# Altium PCB Whitespace_Daughtercard.PcbDoc (part 5 of 5)
Units mil, origin at the board's own origin, x right, y up, seen from the top; angles counter-clockwise.
Board outline 4000 x 3100 mil, 6 copper layers (Top Layer, Ground Plane, MidLayer1, MidLayer2, Power Plane, Bottom Layer), stack 62.3 mil thick; 355 components, 313 nets, 1366 pads, 1573 vias.
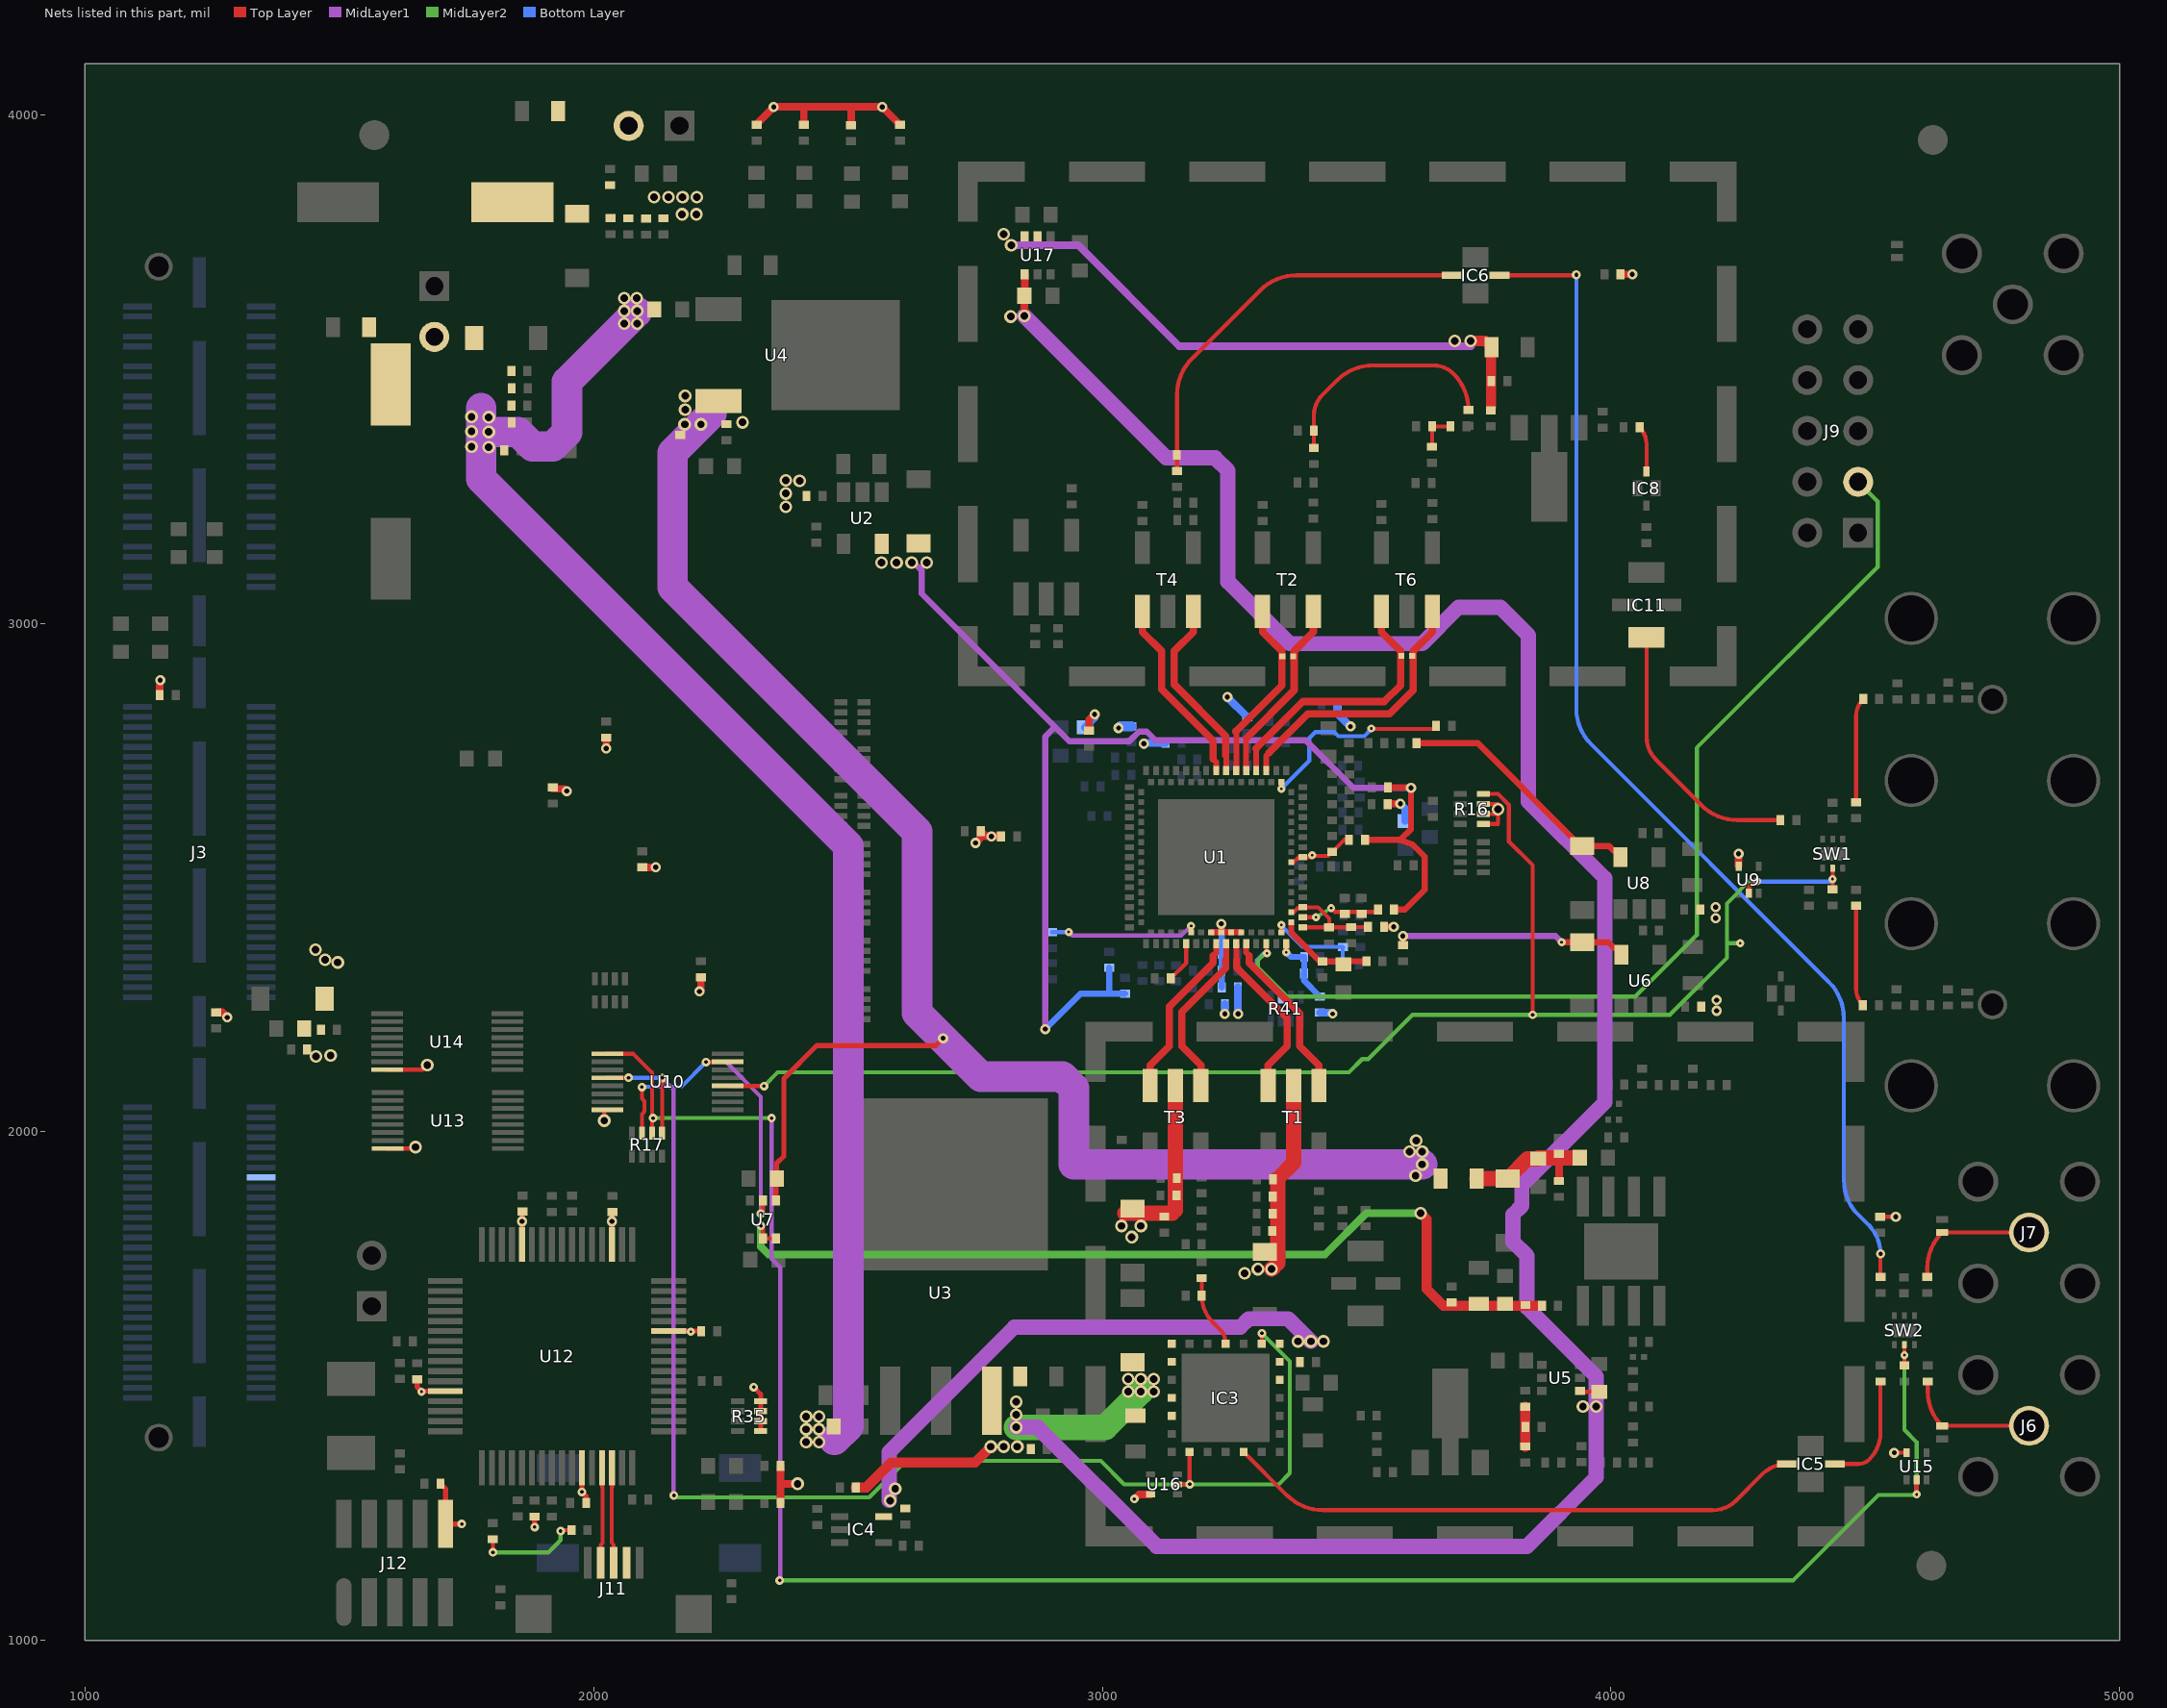
[diagram p9: the nets of this part, all layers, seen from the top]

## Via types
v1: diameter 20, hole 10, Top Layer to Bottom Layer, tented both sides, 569 vias
v2: diameter 17, hole 7, Top Layer to Bottom Layer, tented both sides, 273 vias
v3: diameter 25, hole 15, Top Layer to Bottom Layer, tented both sides, 262 vias
v4: diameter 18, hole 8, Top Layer to Bottom Layer, 137 vias
v5: diameter 16, hole 5, Top Layer to Bottom Layer, tented both sides, 108 vias
v6: diameter 20, hole 8, Top Layer to Bottom Layer, 64 vias
v7: diameter 18, hole 7, Top Layer to Bottom Layer, 61 vias
v8: diameter 17, hole 7, Top Layer to Bottom Layer, tented bottom, 41 vias
v9: diameter 18, hole 8, Top Layer to Bottom Layer, tented top, 17 vias
v10: diameter 16, hole 6, Top Layer to Bottom Layer, tented both sides, 11 vias
v11: diameter 25, hole 15, Top Layer to Bottom Layer, tented bottom, 10 vias
v12: diameter 16, hole 5, Top Layer to Bottom Layer, tented bottom, 4 vias
v13: diameter 55, hole 35.43, Top Layer to Bottom Layer, tented bottom, 3 vias
v14: diameter 150, hole 128.5, Top Layer to Bottom Layer, 3 vias
v15: diameter 250, hole 125, Top Layer to Bottom Layer, 2 vias
v16: diameter 250, hole 135, Top Layer to Bottom Layer, 2 vias
v17: diameter 18, hole 8, Top Layer to Bottom Layer, tented both sides, 2 vias
v18: diameter 18, hole 8, Top Layer to Bottom Layer, tented bottom, 2 vias
v19: diameter 20, hole 8, Top Layer to Bottom Layer, tented bottom, 1 vias
v20: diameter 19, hole 9, Top Layer to Bottom Layer, tented both sides, 1 vias

## Nets (pads, with @x,y where several pads share a name; then routed paths per layer and width w, separated by ;. In a path a pad name is that pad's centre, name@x,y a point inside that pad or via, vN(x,y) a via of type N, cw(c..) or ccw(c..) an arc to the next point about the centre after c; other vN are vias at no path point) (continued)
TXINQP_4: J9.2 R41.7 U1.54 | length 2166.1
  Top Layer w7.94: U1.54@3322.43,2369.72 3322.43,2352.57 v5(3324,2351)
  MidLayer2 w7.94: v5(3324,2351) 3320,2351 3306.03,2337.03 3306.03,2322.97 3363.08,2265.92 4047.92,2265.92 4168.87,2386.87 4168.87,2754.87 4524.5,3110.5 4524.5,3239.5 J9.2@4486,3278
  Bottom Layer w7.94: v5(3324,2351) 3318,2351 3304.03,2337.03 3304.03,2322.97 3340.6,2286.4 3341.09,2286.4 3351.16,2276.34 R41.7@3351.16,2264.64
TXPVDDPLL33A_2: C31.1 C32.2 FB12.1 U1.58 | length 146.9
  Top Layer w12: v5(3361.8,2353) U1.58@3361.8,2369.72
  Bottom Layer w12: v5(3361.8,2353) 3370.8,2344 C31.1@3397,2344 3397,2311.5 C32.2@3396.5,2311 3396.5,2297.5 FB12.1@3428,2266
TXVCCLPF33_2: C5.1 C6.2 FB6.1 U1.43 U1.45 U1.47 U1.49 | length 196.4
  Top Layer w12: U1.43@3214.16,2392.36 U1.45@3233.84,2392.36 3234,2392.52 v1@3234,2407 ; U1.45@3235,2392.36 U1.49@3273.21,2392.36
  Bottom Layer w12: v1@3234,2407 3235,2406 C5.1@3235,2350 3235,2317.5 C6.2@3234.5,2317 3235,2316.5 FB6.1@3235,2284
  other v1: 3234,2409
TXVCCPLL18_2: C10.2 C11.2 FB2.1 U1.61 | length 157.7
  Top Layer w7.94: U1.61@3394.28,2421.89 v5@3419.89,2421.89 ; v5(3450,2440) 3457.5,2432.5 3477,2432.5 3510,2432.5 3537.5,2432.5 FB2.1@3542,2437
  MidLayer2 w7.94: v5(3420,2421.78) v5(3450,2440)
TXVCCVCO33_2: C29.1 C30.2 R39.2 U1.59 U1.62 U1.63 | length 235.3
  Top Layer w7.94: U1.62@3371.64,2431.73 3376.45,2431.73 3386.29,2441.57 U1.63@3394.28,2441.57 3424.2,2441.57 3446,2419.78 C29.1@3446,2402 ; U1.59@3394.28,2402.2 3445.8,2402.2 C29.1@3446,2402 ; R39.2@3524,2402.5 C30.2@3489.5,2402.5 3489,2402 C29.1@3446,2402
TXVDDVCO18_2: C25.2 C26.1 R1.1 U1.60 | length 192.1
  Top Layer w12: U1.60@3371.64,2412.05 3371.64,2391.36 3428,2335 C26.1@3433,2335 3465.5,2335 3466,2335.5 R1.1@3519.5,2335.5
TXVTUNE_4: C92.2 R32.1 U1.57 | length 189.6
  Top Layer w7.94: U1.57@3351.95,2392.36 v5(3352,2407) v5(3352,2407)
  Bottom Layer w7.94: v5@3351.27,2406.27 3393.54,2364 3473,2364 C92.2@3473,2329 ; R32.1@3473,2362.5 R32.1@3473.5,2363
UC_PKT_DET_3: J3.116
UHF_ANT_1: C58.2 L12.1 | length 199.1
  Top Layer w7.94: C58.2@4482,2444.5 4482,2281.6 ccw(c4528.11,2281.6) L12.1@4495.5,2249
UHF_ANT_2: C59.1 L14.1 | length 206.7
  Top Layer w7.94: C59.1@4482,2648 4482,2817.2 cw(c4529.8,2817.2) L14.1@4496,2851
UHF_ANT_CTRL: C60.2 R16.1 SW1.5 U9.2 U10.4 | length 2989.7
  Top Layer w7.94: U10.4@2267.24,2090 2267,2090.24 v2@2334.76,2090.24 ; R16.1@3749,2664.37 3777.99,2664.37 3799.47,2642.89 3799.47,2570.71 3846,2524.17 v2(3846,2230) ; U9.2@4271,2468.99 4271,2480 v5@4284,2493 ; C60.2@4436,2476.5 v5(4436,2497) SW1.5@4436,2518.46
  MidLayer2 w7.94: v2(2335,2090) 2362.03,2117.03 3485.03,2117.03 3511,2143 3523,2143 3610,2230 v2(3846,2230) 4116,2230 4227.97,2341.97 4227.97,2371 ; v12(4254,2371) 4227.97,2371 ; v5(4287,2493) 4272,2493 4227.97,2448.97 4227.97,2371
  Bottom Layer w7.94: v5@4287,2492 4431,2492 v5(4436,2497)
UHF_BB_RX_N: C63.1 T2.3 U1.98 | length 365.1
  Top Layer w11.23: U1.98@3263.37,2710.28 3263.37,2786
  Top Layer w14.41: 3262.08,2787.29 3352.79,2878 3352.79,2945.21 3315,2983 T2.3@3315,3023.4
UHF_BB_RX_P: C63.2 T2.1 U1.96 | length 367.8
  Top Layer w11.23: U1.96@3283.06,2710.28 3283.06,2773.74
  Top Layer w14.41: 3283.06,2773.74 3377.21,2867.89 3377.21,2945.21 3415,2983 T2.1@3415,3023.4
UHF_BB_SE_INMIXAUX_7: C65.1 C97.1 L10.2 | length 469.5
  Top Layer w7.94: L10.2@3416,3344.5 C65.1@3416,3379 3416,3407.96 cw(c3474.04,3407.96) 3433,3449 3461.71,3477.71 cw(c3532.42,3407) 3532.42,3507 3650.37,3507 cw(c3650.37,3449.95) 3690.71,3490.29 cw(c3620,3419.58) C97.1@3720,3419.58
UHF_BB_SE_POST_EXTLNA_7: C125.2 J14.2 L16.1 | length 75.5
  Top Layer w7.94: L16.1@3648.5,3347.5 C125.2@3648.5,3387 J14.2@3684.5,3387
UHF_BB_SE_RX_7: C137.1 IC11.1 | length 534.6
  Top Layer w7.94: IC11.1@4070,2972 4070,2777.71 ccw(c4136.89,2777.71) 4089.59,2730.41 4177.71,2642.29 ccw(c4248.42,2713) 4248.42,2613 C137.1@4333,2613
UHF_BB_TX_N: T1.3 U1.50 | length 337.7
  Top Layer w11.23: U1.50@3283.06,2369.72 3283.06,2352.36 3289,2346.41
  Top Layer w14.41: 3289,2346.41 3289,2332.32 3388.21,2233.11 3388.21,2168.79 3426,2131 T1.3@3426,2091.2
UHF_BB_TX_P: T1.1 U1.48 | length 334.9
  Top Layer w11.23: 3263.37,2339.63 U1.48@3263.37,2369.72
  Top Layer w14.41: 3264,2339 3264,2322.79 3363.79,2223 3363.79,2168.79 3326,2131 T1.1@3326,2091.2
UHF_EXTLNA_PWR_7: C96.1 C99.2 L17.2 U17.2 U17.3 | length 1148.1
  Top Layer w20: v3(3724,3555) 3753.13,3555 C99.2@3765.13,3543 ; L17.2@3764,3424 C99.2@3764,3540
  MidLayer1 w15: v3(2821,3743) 2953,3743 3151,3545 v3@3725,3545
  other v3: 3693,3555 2806,3765
UHF_PA1_SUPPLY_7: C48.1 L5.2 R3.2 | length 78
  Top Layer w20: L5.2@3831.89,1381.5 C48.1@3831.89,1420 R3.2@3831.89,1459.5
UHF_PA2_BIAS_7: C54.2 C55.2 C56.2 R8.2 R9.2 U7.2 U7.3 | length 1815.5
  Top Layer w7.94: v2(2329,1815) 2333,1811 U7.2@2333,1790.2 U7.3@2358.59,1790.2
  Top Layer w20: v3(3626,1840) 3637.59,1828.41 3637.59,1691.41 3671,1658 3856,1658
  MidLayer2 w15: v2(2329,1815) 2329,1774 2344,1759 3438,1759 3519,1840 v3(3626,1840)
UHF_PA2_CTRL_1: R17.6 U7.5 U10.7 | length 678.6
  Top Layer w7.94: v2(2095,2088) 2095,2065.45 2100,2060.45 2100,2040 2095,2035 2095,1997.8 R17.6@2095.16,1997.64 ; v2@2221.33,2137.49 U10.7@2267,2137.49 ; v2(2329,1839) 2333,1843 U7.5@2333,1865
  MidLayer1 w7.94: v2(2221.09,2137.25) 2260.75,2137.25 2329,2069 v2(2329,1839)
  Bottom Layer w7.94: v2@2097,2088 2097.53,2088.53 2172.37,2088.53 v2(2221.09,2137.25)
UHF_PA2_SUPPLY_7: C51.2 C52.2 C53.1 L6.2 L9.2 R6.1 | length 264.6
  Top Layer w15: L6.2@3898,1903.5 3898,1955.5 C51.2@3899,1956.5
  Top Layer w30: R6.1@3736,1908 C53.1@3797,1908 3836.12,1947.12 C52.2@3857,1947.12 ; C52.2@3857,1948.99 3898,1949 L9.2@3931,1949
UHF_POSTEXTLNA_N: C123.1 T6.3 U1.94 | length 540.2
  Top Layer w11.23: U1.94@3302.74,2710.28 3302.74,2753.74
  Top Layer w14.41: 3302.48,2754 3394.47,2846 3554.79,2846 3586.79,2878 3586.79,2945.21 3549,2983 T6.3@3549,3023.4
UHF_POSTEXTLNA_P: C123.2 T6.1 U1.92 | length 542.3
  Top Layer w11.23: U1.92@3322.43,2710.28 3322.43,2739.43 3328,2745
  Top Layer w14.41: 3328,2745 3404.59,2821.59 3564.91,2821.59 3611.21,2867.89 3611.21,2945.21 3649,2983 T6.1@3649,3023.4
UHF_PRE_EXTLNA_7: C98.2 IC8.2 | length 90.1
  Top Layer w7.94: C98.2@4056.5,3385 cw(c4023.89,3352.4) 4070,3352.4 IC8.2@4070,3298.46
USB0D_N: J11.2 U12.45 | length 189
  Top Layer w7.75: J11.2@2013.8,1152.5 2013.8,1188 2017.55,1191.75 2017.55,1300.04 2016.58,1301 U12.45@2016.58,1339.51
USB0D_P: J11.3 U12.46 | length 189.1
  Top Layer w7.75: U12.46@2036.27,1339.51 2036.27,1301 2035.3,1300.04 2035.3,1192.08 2039.39,1188 J11.3@2039.39,1152.5
USBID_1: J11.4
VCC_1.8V: C18.2 FB1.2 FB2.2 FB3.2 FB4.2 FB5.2 U2.5 | length 2467.8
  Top Layer w12: FB3.2@3516.5,2574 3586,2574 ; FB4.2@3561.5,2677 v1@3606,2677 ; FB2.2@3573.5,2437 3595,2437 3634,2476 3634,2541 3610,2565 3586,2574 ; v1(3607,2676) 3607,2595 3586,2574
  MidLayer1 w12: v3@2630,3119 2645,3104 2645,3058 2907,2796 ; v1(2888,2202) 2888,2777 2907,2796 ; v1(3607,2676) 3494,2676 3400,2770 3104.7,2770 3087.7,2787 3072,2787 3053,2768 2935,2768 2907,2796
  Bottom Layer w12: v1(2888,2202) 2957.5,2271.5 3014,2271.5 ; FB1.2@3014,2322.5 3014,2271.5 ; FB5.2@3045,2271.5 3014,2271.5
  other v3: 2566,3119.02 2595.67,3119.02 2625.33,3119.02 2655,3119.02
VCC_1.8V_RXVCO: C131.2 FB13.1 U8.5 | length 493.2
  Top Layer w12: FB13.1@3618,2764 3738.3,2764 3940.32,2561.98 C131.2@3944,2561.98 3996.4,2561.98 U8.5@4018.4,2539.98
VCC_1.8V_TXVCO: C80.2 FB11.1 U6.5 | length 462.7
  Top Layer w12: FB11.1@3591,2367 v1(3591,2385) ; v12(3903,2373) C80.2@3944,2372.98 3995.4,2372.98 U6.5@4020.4,2347.98
  MidLayer1 w12: v1(3591,2385) 3891,2385 v12(3903,2373)
VCC_3.3V: C40.2 C68.1 C95.1 C102.2 C103.2 C104.2 C105.2 C106.1 C115.1 C116.1 C117.1 C118.1 C119.1 C120.1 C127.1 C128.1 C142.2 C143.1 C144.1 C145.2 C146.2 C147.2 C148.1 C149.2 C150.2 C156.2 C157.2 C158.1 C159.2 C160.1 C161.2 C162.1 C163.1 C164.1 C166.1 FB6.2 FB7.2 FB8.2 FB9.2 FB10.2 FB12.2 FB14.1 FB16.2 FB17.1 FB24.2 FB25.2 J1.2 J12.10 R15.1 R16.2 R16.3 R16.4 R35.1 R35.2 R35.3 R35.4 R38.2 R39.1 R40.1 R45.2 R46.2 R47.1 R48.1 R49.1 R52.2 R58.1 R61.1 R103.2 T1.2 T3.2 U9.5 U10.16 U12.3 U12.12 U12.28 U12.43 U12.59 U13.16 U14.16 U15.5 U16.5 | length 2874.8
  Top Layer w7.94: R16.4@3749,2605.31 3778,2605.31 v3@3778,2625 ; R16.3@3749,2625 v3@3778,2625 ; R16.2@3749,2644.68 3778,2644.68 v3(3778,2634) v3@3778,2625 ; C128.1@4529,1833 v1(4560,1833) ; v1@4557.14,1369.14 U15.5@4581.31,1369.14
  Top Layer w9: U13.16@1591.91,1967 1648,1967 v3@1650,1969 ; U14.16@1591.91,2122 1664,2122 v3(1673,2131) ; v1@1943,2674 v1(1947,2670) ; v3(2021,2022) 2021,2041.09 U10.16@2022.91,2043 ; v2(2315,1498) 2328.64,1484.36 R35.1@2328.64,1470.53 R35.2@2328.64,1450.84 R35.3@2328.64,1431.16 R35.4@2328.64,1411.47
  Top Layer w10: C102.2@1653,1513.5 1653,1499 1661.9,1490.1 U12.28@1708.51,1490.1 ; C95.1@1699,1308 1709,1298 J12.10@1709,1229 v2(1741,1229) ; U12.12@1859.1,1778.49 1859.1,1842.1 C106.1@1860,1843 ; v2(1884,1223) R38.2@1884,1243.5 ; U12.43@1977.21,1339.51 1977.21,1292.21 v2(1977,1292) 1985.5,1283.5 C105.2@1985.5,1270 ; U12.3@2036.27,1778.49 v1(2036.27,1824) 2036.27,1841.77 C104.2@2037,1842.5 ; U12.59@2147.49,1608.21 2211.29,1608.21 C103.2@2211.5,1608
  Top Layer w14: C68.1@1920,2674 v1@1943,2674 ; v1(2025,2754) C115.1@2025,2775
  Top Layer w15: C119.1@1147,2859 1147,2887 v1(1148,2888) ; C120.1@1258,2235 1270,2235 v1(1280,2225) ; C116.1@2096,2520 v1(2122,2520) ; v1(2208,2276) 2211,2279 C118.1@2211,2304 ; R47.1@2320,3981 v1(2354.06,4015.12) ; v1(2354.06,4015.12) 2413.33,4015.12 ; R52.2@2367.5,1270 R46.2@2367.5,1343 ; 2369.5,1308 v3(2401,1308) ; R15.1@2413.33,3980.12 2413.33,4015.12 ; R48.1@2506.33,3979.12 2506.33,4014.12 ; R49.1@2602.33,3980.12 v1(2567.33,4015.12) 2413.33,4015.12 ; v1(2751,2568) 2761,2578 C117.1@2761,2591 2771,2581 v1(2782,2581) FB17.1@2801,2581 ; C40.2@2974,2788.5 2974,2810 v1(2985,2821) ; v2(3063,1278) 3072.32,1287.32 U16.5@3094.86,1287.32 ; R39.1@3556,2403 v1@3574,2403 ; R40.1@3562,2645 v1(3586,2645) ; v1@3586,2644 v1@3587,2644 ; C127.1@4019,3686 v1(4042,3686) ; U9.5@4251,2522.46 v1(4251,2547)
  Top Layer w30: C150.2@3044,1840 3138,1840 3144,1846 T3.2@3144,2091.2 ; v3(3333,1730) 3345,1742 3345,1908 3376,1939 T1.2@3376,2091.2
  Bottom Layer w10: v1(3032,2794) v1@3035.5,2797.5
  Bottom Layer w15: R103.2@2966,2795.12 2985,2814.12 v1(2985,2821) ; v1(3082,2763) 3082,2760 3087,2765 FB9.2@3124.5,2765 ; v1(3241,2232) FB14.1@3241,2251 ; v1(3246,2855) 3246,2854.5 FB8.2@3285,2815.5 ; FB6.2@3266.5,2284 3266.5,2232.5 v1(3267,2232) ; FB12.2@3428,2234.5 3452.5,2234.5 v20@3453,2234 ; FB16.2@3462.5,2841 3462.5,2822.5 v1(3488,2797) ; v1(3586,2645) 3596,2635 R58.1@3596,2611
  Bottom Layer w20: v1@3035.5,2797.5 FB10.2@3057,2797.5
  other v1: 4557,1369 1859.1,1824 4208,2238 4208,2259 3573,2403 4206,2420 4206,2442
  other v3: 3280,1722 3306,1730 3058,1793 3038,1815 3076,1815 1650,1970 1454,2148 1483,2150 1497,2333 1472,2338 1453,2358 2378,3229.02 2378,3255.02 2405,3280.02 2378,3281.02 2174,3804 2202,3804 2119,3838 2147,3838 2175,3838 2203,3838
  other v5: 1661.9,1489.1 2191,1607.21
  other v20: 3453,2232
VCC_5V: C45.1 C77.1 C78.2 FB23.2 IC3.13 IC3.14 IC3.16 IC3.17 R4.2 R11.2 R44.2 U3.3 U5.4 U17.4 | length 5275.7
  Top Layer w7.94: U5.4@3940.53,1488.88 R4.2@3971,1488.88
  Top Layer w15: v3(2847,3604) R11.2@2847,3643.88 ; R11.2@2847.41,3644.53 U17.4@2847.41,3686
  Top Layer w20: FB23.2@2515.5,1301 2536,1301 2585,1350 2750,1350 v3(2781,1381)
  MidLayer1 w30: v3(2831,1419) 2873,1419 3107,1185 3835,1185 3971,1321 v3(3971,1460) 3971,1518.72 3835,1654.72 3835,1756.04 3807.5,1783.54 3807.5,1837.07 3825,1854.57 3825,1895.04 3988,2058.04 3988,2499 3838,2649 3838,2976 3782.5,3031.5 3700.54,3031.5 3629.04,2960 3368.57,2960 3247,3081.57 3247,3300 3222,3325 3126,3325 v3(2847,3604)
  MidLayer2 w50: v3(2831,1419) 3006,1419 v3(3076,1489)
  other v3: 2806,1381 2833,1381 2831,1444 2831,1469 3051,1489 3101,1489 3051,1514 3076,1514 3101,1514 2820,3603
  other v11: 3945,1460
VCC_7V: C47.2 R6.2 R7.2 R43.2 U4.3 U7.4 | length 3202.5
  Top Layer w10: U7.4@2358.59,1865 R7.2@2358.59,1906.47 ; R7.2@2360.12,1908 2360.12,1938.12 2374,1952 2374,2104.75 2438.75,2169.5 2672.5,2169.5 v1(2687,2184)
  MidLayer1 w60: 2231.5,3411.5 2155,3335 2155,3071 2636,2590 2636,2234 2761.5,2108.5 2921.5,2108.5 2944,2086 2944,1936 v11(3629,1936)
  other v3: 3616,1914 3604,1961 3629,1961 3617,1983 2179,3391 2293,3395 2180,3420 2180,3447
  other v11: 2211,3391
VCC_12V: C151.2 C152.2 C153.1 C154.2 C155.1 C165.1 FB18.1 FB19.1 J2.2 R42.2 R60.1 | length 2810.7
  MidLayer1 w60: 1779,3423 1779,3284 2501,2562 2501,1421 2474,1394 2473,1394 ; v3(1794,3376) 1851.82,3376 1880.32,3347.5 1919.68,3347.5 1947.5,3375.32 1947.5,3474.5 v3@2085,3612
  other v3: 2418,1390 2443,1390 2418,1415 2443,1415 2418,1440 1760,3347 1760,3377 1794,3405 1760,3406 2060,3589 2086,3589 2060,3614 2086,3614 2060,3639
  other v11: 2443,1440 1794,3346 2085,3639
VCC_USB: FB21.2 R62.1 | length 206.4
  Top Layer w7.94: v2(1802,1173) R62.1@1802,1199 ; v2@1937,1217 FB21.2@1956.5,1217
  MidLayer2 w7.94: v2(1802,1173) 1911,1173 1935,1197 v2(1935,1215)
VREFAD_4: C88.2 U1.38 | length 80.8
  Top Layer w7.94: C88.2@3134.5,2301.5 3164.94,2331.95 U1.38@3164.94,2369.72
VREG_2.85V: C67.2 C135.2 IC3.5 IC3.6 IC3.7 IC4.5 | length 1051.2
  MidLayer1 w30: v11@2581,1275 2581,1370 2827,1616 3271.43,1616 3287.93,1632.5 3365.5,1632.5 v3(3410,1588)
  other v3: 2593,1298 3435,1588
  other v11: 2583,1275 3385,1588
VSPI18_2: C12.2 FB3.1 U1.72 U1.73 | length 129.5
  Top Layer w7.94: U1.72@3371.64,2530.16 3376.45,2530.16 3386.29,2540 U1.73@3394.28,2540 v5@3411.68,2540 ; v5@3412.62,2542.72 3444.37,2542.72 C12.2@3452,2550.35 3475.65,2574 FB3.1@3485,2574
  other v5: 3412.62,2543.72
WIFI_ANT_1: C69.2 D12.2 J6.1 | length 265.5
  Top Layer w7.94: C69.2@4623,1509 4623,1489.39 ccw(c4718.6,1489.39) D12.2@4651,1421.8 ; D12.2@4651.2,1422 J6.1@4822,1422
WIFI_ANT_2: C70.2 D13.2 J7.1 | length 266.5
  Top Layer w7.94: C70.2@4622,1714.5 4622,1732.19 cw(c4721.01,1732.19) D13.2@4651,1802.2 ; D13.2@4651,1802 J7.1@4822,1802
WIFI_ANT_CTRL: C71.2 R17.7 SW2.5 U10.9 U15.2 | length 4029.8
  Top Layer w7.94: U10.9@2022.91,2153.24 2078,2153.24 2114.84,2116.4 R17.7@2114.84,1997.64 ; C71.2@4577,1540.5 v5(4577,1560.98) SW2.5@4577,1581.46 ; v12@4601,1294 U15.2@4601,1315.99
  MidLayer1 w7.94: v2(2350,2027) 2350,1750 2366.97,1733.03 2366.97,1118.97 v2(2366,1118)
  MidLayer2 w7.94: v2@2115,2027 v2(2350,2027) ; v2(2366,1118) 4358,1118 4526,1286 4601,1286 4601,1390.17 4577,1414.17 v5(4577,1560.98)
  other v2: 2117,2027
  other v12: 4601,1287
WIFI_BB_RX_N: T4.3 U1.102 | length 373.2
  Top Layer w11.23: 3218.17,2733 3224,2727.17 U1.102@3224,2710.28
  Top Layer w14.41: T4.3@3079,3023.4 3079,2983 3116.79,2945.21 3116.79,2869.89 3218.17,2768.51 3218.17,2733
WIFI_BB_RX_P: T4.1 U1.100 | length 369.7
  Top Layer w11.23: U1.100@3243.68,2710.28 3243.68,2739.9
  Top Layer w14.41: T4.1@3179,3023.4 3179,2983 3141.21,2945.21 3141.21,2880 3242.59,2778.62 3242.59,2741
WIFI_BB_SE_RX_8: C75.2 IC6.2 L11.2 | length 802.6
  Top Layer w7.94: L11.2@3147,3299.5 3147,3449.58 cw(c3247,3449.58) 3176.29,3520.29 3310.71,3654.71 cw(c3381.42,3584) 3381.42,3684 IC6.2@3686.76,3684
WIFI_BB_TX_N: T3.3 U1.46 | length 328.9
  Top Layer w11.23: 3243.68,2340.1 U1.46@3243.68,2369.72
  Top Layer w14.41: T3.3@3194,2091.2 3194,2131 3156.21,2168.79 3156.21,2235.68 3242.59,2322.06 3242.59,2339
WIFI_BB_TX_P: T3.1 U1.44 | length 332.4
  Top Layer w11.23: 3218.17,2346 3224,2351.83 U1.44@3224,2369.72
  Top Layer w14.41: T3.1@3094,2091.2 3094,2131 3131.79,2168.79 3131.79,2245.79 3218.17,2332.17 3218.17,2346
WIFI_FILTER_OUT_8: C140.1 IC5.2 | length 229
  Top Layer w7.94: IC5.2@4440.24,1347 4486.27,1347 ccw(c4486.27,1377.73) 4508,1356 ccw(c4454.89,1409.11) 4530,1409.11 C140.1@4530,1509
WIFI_PA_CTRL: IC3.8 IC3.20 R17.8 U10.12 U16.2 | length 2728.7
  Top Layer w7.94: U10.12@2022.91,2105.99 v2@2068.57,2105.99 ; R17.8@2134.53,1997.64 2135,1998.11 v2(2135,2106) ; U16.2@3148.01,1307 v2(3172,1307) ; v2@3171.76,1307 IC3.20@3171.76,1370.62 ; IC3.8@3313.49,1583.22 3314,1583.73 v2(3314,1604)
  MidLayer1 w7.94: v2(2135,2106) 2157,2084 v2@2157,1285
  MidLayer2 w7.94: v2@2157,1285 2161,1281 2542,1281 2614,1353 2997,1353 3043,1307 3347.12,1307 3369,1328.88 3369,1549 v2(3314,1604)
  Bottom Layer w7.94: v2(2068.81,2106.23) 2134.77,2106.23 v2(2135,2106)
  other v2: 2158,1285
WIFI_PA_IN_8: IC3.10 NC2.2 NL2.2 | length 143.4
  Top Layer w7.94: NL2.2@3195.5,1712.01 NC2.2@3195.5,1678 ccw(c3269.12,1678) 3217.06,1625.94 3230.5,1612.5 cw(c3201.22,1583.22) IC3.10@3242.63,1583.22
WIFI_PA_OUT_8: IC3.23 IC5.4 | length 1142.9
  Top Layer w7.94: IC3.23@3278.06,1370.62 3363.39,1285.29 ccw(c3434.11,1356) 3434.11,1256 4200.13,1256 ccw(c4200.13,1320.87) 4246,1275 4298.37,1327.37 cw(c4345.76,1279.99) IC5.4@4345.76,1347
WIFI_RX_PREFILTER_8: C141.2 IC6.4 | length 2352.9
  Top Layer w7.94: IC6.4@3781.24,3684 v18@3932,3684 ; C141.2@4530,1714.5 v17(4530,1760)
  Bottom Layer w7.94: v18(3932,3685) 3932,2832.42 ccw(c4032,2832.42) 3961.29,2761.71 4428.71,2294.29 cw(c4358,2223.58) 4458,2223.58 4458,1905.45 ccw(c4558,1905.45) 4478.04,1845.4 4506.35,1817.09 cw(c4449.27,1760) v17(4530,1760)
XRES12K_4: R29.1 U1.89 | length 401.2
  Top Layer w7.94: v5(3351.95,2674.42) U1.89@3351.95,2687.64 ; v5@3529,2792 3650,2792 R29.1@3656,2798
  Bottom Layer w7.94: v5(3351.95,2674.42) 3407,2729.46 3407,2774 3419,2786 3456,2786 3464,2778 3515,2778 v5@3529,2792
  other v5: 3529,2793
XRESAD_4: R27.2 U1.39 | length 298.2
  Top Layer w7.94: U1.39@3174.79,2392.36 v5@3174.79,2405.58
  MidLayer1 w7.94: v10(2934,2393) 2941,2386 3155.2,2386 v5@3174.79,2405.58
  Bottom Layer w7.94: R27.2@2901,2392.5 v10@2933.5,2392.5
  Bottom Layer w12: v10@2933.5,2392.5 v10(2934,2393)
  other v5: 3174.79,2404.58
pads on no net: C33.1 F1.0 F2.0 F3.0 IC2.2 IC2.4 IC2.5 J3.1 J3.2 J3.3 J3.4 J3.5 J3.6 J3.7 J3.8 J3.9 J3.10 J3.11 J3.12 J3.13 J3.14 J3.15 J3.16 J3.17 J3.18 J3.19 J3.20 J3.21 J3.22 J3.23 J3.24 J3.25 J3.27 J3.29 J3.31 J3.33 J3.34 J3.97 J3.98 J3.125 J3.126 J3.127 J3.128 J3.132 J3.134 J3.137 J3.138 J3.139 J3.140 J3.143 J3.144 J3.145 J3.146 J3.149 J3.150 J3.151 J3.152 J3.155 J3.156 J3.157 J3.158 J3.173 J3.174 J12.7 R34.8 SW3.1 SW3.3 T2.2 T4.2 T6.2 U1.42 U9.1 U12.33 U12.35 U15.1 U16.1
copper on no net:
  other v1: 2448.91,1036 3307,2024 3327,2024 3425,2024 3445,2024

## Polygon pours and split planes (outlines as drawn)
GND on Top Layer "Top Layer-No Net 2" (solid, pour order 51): 2733,3887 4225,3887 4225,2896 4225,2901 2735,2901
NetFB20_1 on Top Layer "Top Layer-No Net" (solid, pour order 93): 1807,1077.74 1812.18,1077.74 1815.54,1091 1817.35,1091 1917,1091 1917,1040 1807,1040
NetC15_2 on Top Layer "Top Layer-No Net" (solid, pour order 96): 2443,3334.02 2443,3250.98 2443,3217.02 2583,3217.02 2583,3334.02
VCC_7V on Top Layer "Top Layer-No Net" (solid, pour order 95): 2160,3461 2307,3461 2307,3374 2304.77,3376.26 2160,3376.26
GND on Top Layer "Top Layer-No Net" (solid, pour order 92): 1780,1155 1845,1155 1845,1105 1833,1093 1827,1093 1800,1093 1799,1094 1781,1112 1780,1112
GND on Top Layer "Top Layer-No Net" (solid, pour order 91): 1609,1344 1629,1344 1649,1344 1675,1318 1675,1298 1675,1245 1659,1229 1509,1229 1494,1244 1494,1276
VCC_5V on Top Layer "Top Layer-No Net" (solid, pour order 70): 3144,1591 3062,1591 3036,1565 3036,1428 3106,1428 3112,1434 3144,1434
VREG_2.85V on Top Layer "Top Layer-No Net" (solid, pour order 72): 3341,1591 3341,1505 3357,1505 3364,1505 3396,1537 3396,1557 3362,1591
NetR3_1 on Top Layer "Top Layer-No Net" (solid, pour order 73): 3874,1524 3874,1482 3824,1482 3822,1484 3822,1501 3845,1524
VREG_2.85V on Top Layer "Top Layer-No Net" (solid, pour order 84): 3366,1608 3366,1567.55 3378,1557 3396,1557 3396,1557.88 3407,1567.55 3452,1567.55 3452,1608
NetC44_1 on Top Layer "Top Layer-No Net" (solid, pour order 85): 2602,1538 2513,1538 2513,1405 2602,1405
GND on Top Layer "Top Layer-No Net" (solid, pour order 86): 3845,1867 4191,1867 4191,1658 3845,1658
NetC6a_2 on Top Layer "Top Layer-No Net" (solid, pour order 87): 4045,1911 4011,1911 3995,1927 3995,1872.28 4045,1872.28
GND on Top Layer "Top Layer-No Net" (solid, pour order 88): 3443,2620 3443,2575 3461,2575 3538,2575 3538,2597 3538,2620
GND on Top Layer "Top Layer-No Net" (solid, remove dead copper, pour order 60): 1663.36,1827.92 1664.09,1829 2204,1829 2204,1294.61 2202.91,1293 1663,1293
NetC79_2 on Top Layer "Top Layer-No Net 1" (solid, pour order 55): 4007,2227 4007,2306 4181,2306 4181,2278 4181,2263 4154,2236 4145,2227 4109,2227
NetC130_2 on Top Layer "Top Layer-No Net 1" (solid, pour order 52): 4005,2419 4005,2498 4179,2498 4179,2470 4179,2455 4152,2428 4143,2419 4107,2419
VCC_3.3V on Top Layer "Top Layer-No Net 1" (solid, pour order 59): 4168,2447 4192,2447 4198,2453 4220,2453 4220,2405 4198,2405 4196,2405 4174,2427 4168,2427
VCC_3.3V on Top Layer "Top Layer-No Net 1" (solid, pour order 62): 4170,2236 4170,2256 4185,2256 4186,2256 4200,2270 4220,2270 4220,2220 4195,2220
NetC133_2 on Top Layer "Top Layer-No Net 1" (solid, pour order 67): 2430,1266 2476,1312 2493,1312 2493,1291 2493,1288 2525,1256 2525,1183 2470,1183 2467,1186 2467,1199 2467,1237 2454,1250 2430,1250
GND on Top Layer "Top Layer-No Net 1" (solid, pour order 69): 2501,1225 2460,1225 2450,1235 2430,1235 2425,1235 2400,1210 2400,1180 2451,1180 2453,1182 2467,1196 2467,1211 2501,1211
VREG_2.85V on Top Layer "Top Layer-No Net 1" (solid, pour order 71): 2553,1237 2553,1290 2583,1320 2625,1320 2625,1250 2601,1250 2588,1237
VCC_3.3V on Top Layer "Top Layer-No Net 2" (solid, pour order 53): 1429,2172 1429,2152 1429,2151 1447,2133 1448,2132 1490,2132 1504,2146 1504,2164 1499,2164 1472,2191 1472,2211 1472,2221 1489,2238 1489,2286 1453,2286 1453,2239 1437,2239 1417,2219 1417,2187 1417,2184 1429,2172
VCC_3.3V on Top Layer "Top Layer-No Net 2" (solid, pour order 58): 1427,2361 1446,2380 1456,2380 1476,2380 1544,2312 1489,2257 1489,2239 1453,2239 1453,2286 1453,2288 1469,2304 1427,2346 1427,2361
GND on Top Layer "Top Layer-No Net 2" (solid, pour order 50): 2988,2194 4480,2194 4480,1203 4480,1208 2990,1208
GND on Top Layer "Top Ground Fill" (solid, remove dead copper, pour order 98): 1002,4099.83 1004,4097.83 4999,4097.83 4999,1000.83 1001,1000.83
GND on MidLayer2 "Top Layer-No Net" (solid, remove dead copper, pour order 68): 2536,2067 2899,2067 2899,1785.07 2890,1777.52 2887,1775 2536,1775
VCC_3.3V on MidLayer2 "Top Layer-No Net" (solid, pour order 63): 4252,1796 4395.73,1796 4406,1786 4406,1738 4253.03,1738 4252,1739
HSMC_3.3V on MidLayer1 "Top Layer-No Net 2" (solid, pour order 57): 1473,4044 1938,4044 1938,3786 1473,3786
HSMC_3.3V on MidLayer1 "Top Layer-No Net 2" (solid, pour order 54): 1209,3669 1209,3806 1485,3806 1500,3806 1500,3807
GND on MidLayer1 "Top Layer-No Net" (solid, remove dead copper, pour order 66): 2540,2067 2899,2067 2899,1731 2890.1,1722 2887.13,1719 2540,1719
VCC_7V on MidLayer1 "Top Layer-No Net" (solid, pour order 74): 3585,1997 3585,1900 3650,1900 3680,1930.63 3680,1969.43 3677,1969.43 3650,1997
VCC_7V on MidLayer1 "Top Layer-No Net" (solid, pour order 94): 2160,3461 2307,3461 2307,3374 2304.77,3376.26 2160,3376.26
HSMC_12V on MidLayer1 "Top Layer-No Net" (solid, remove dead copper, pour order 77): 1233,1406 1449,1406 1451,1408 1451,3517 1562,3517 1582,3537 1582,3767 1281,3767 1234,3720
HSMC_3.3V on MidLayer1 "Top Layer-No Net" (solid, remove dead copper, pour order 75): 1225,1406 1054,1406 1047,1413 1047,4053 1535,4053 1568,4020 1568,3787 1240,3787 1225,3772
GND on Bottom Layer "Bottom Ground Fill" (solid, remove dead copper, pour order 97): 1002,4099 1004,4097 4999,4097 4999,1000 1001,1000
GND on Ground Plane (split plane): 4979.9,1020.1 1020.1,1020.1 1020.1,4079.9 4979.9,4079.9
VCC_3.3V on Power Plane (split plane): 4979.9,1020.1 2456.07,1020.1 2456.07,1767 2455.78,1769.94 2454.93,1772.77 2453.53,1775.37 2451.66,1777.66 2270.07,1959.24 2270.07,2151 2269.78,2153.94 2268.93,2156.77 2267.53,2159.37 2265.66,2161.66 2235.66,2191.66 2233.37,2193.53 2230.77,2194.93 2227.94,2195.78 2225,2196.07 1020.1,2196.07 1020.1,4079.9 4979.9,4079.9
VCC_3.3V on Power Plane (split plane): 2239.93,2144.76 2239.93,1953 2240.22,1950.06 2241.07,1947.23 2242.47,1944.63 2244.34,1942.34 2425.93,1760.76 2425.93,1020.1 1020.1,1020.1 1020.1,2165.93 2218.76,2165.93
GND on Power Plane (split plane): 3361.45,2402.55 3089.55,2402.55 3089.55,2673.45 3361.45,2673.45
GND on Power Plane (split plane): 2596.45,3405.06 2594.94,3403.55 2349.06,3403.55 2346.55,3406.06 2346.55,3652.45 2596.45,3652.45

## Other copper
Top Layer:
  region net VCC_3.3V: 2007,3852 2007,3969 1913,3969 1913,3852
  region net VCC_3.3V: 2104,3940 2104,4030 1913,4030 1913,3940
  rectangle net VCC_12V: 2046,3574 2133,3654
  rectangle net GND: 2334,3684 2396,3724
  rectangle net NetC46_1: 2160,3595 2290,3726
  rectangle net VCC_3.3V: 1996,3787 2218,3855
  rectangle net VCC_3.3V: 1759,3787 1996,3907
  rectangle net VCC_12V: 1742,3330 1818,3495
  rectangle net VCC_12V: 1545,3385 1847,3602
  region net HSMC_3.3V: 1875,3924 1875,4031 1689.43,4031 1689.43,3924
  rectangle net HSMC_12V: 1418,3460 1503,3767
  rectangle net NetFB22_1: 2220,1062 2284,1090
  region net GND: 4374,1376 4374,1306 4413,1306 4413,1376
  rectangle net GND: 3714,3651 3753,3717
  rectangle net VCC_3.3V: 2363,3216.02 2428,3297.02
  rectangle net GND: 2545,3287.02 2677,3370.02
  rectangle net VCC_1.8V: 2550,3096.02 2669,3179.02
  rectangle net GND: 2565,3401 2666,3653
  rectangle net GND: 2402,1458 2470,1526
  rectangle net VCC_12V: 2405,1376 2486,1453
  rectangle net VCC_5V: 3929,1445 3993,1502
  rectangle net GND: 2516,3239.02 2545,3369.02
  rectangle net VCC_7V: 3572,1888 3679,2002
  rectangle net VCC_5V: 2763,1366 2853,1538
  rectangle net GND: 2635,1370 2725,1573
  rectangle net VCC_3.3V: 3022,1778 3090,1867
  rectangle net VCC_3.3V: 3265,1715 3354,1777
  rectangle net VCC_5V: 2806,3587 2862,3620
  region net UHF_EXTLNA_PWR_7: 3741,3575 3679,3575 3679,3537 3741,3537
  rectangle net UHF_EXTLNA_PWR_7: 2788,3730 2885,3779
  rectangle net GND: 3247,2652 3338,2694
  rectangle net GND: 3306,2386 3338,2426
  pour cut-out: 1316.58,2461.42 1316.58,2520.47 1481.39,2520.47 1481.39,2422.05 1371,2422.05 1371,2406
  pour cut-out: 1129,2541 1129,2482 1167,2482 1167,2461.42 1388.91,2461.42 1388.91,2520.47
  pour cut-out: 1122,2365 1152,2365 1152,2117 1115,2117 1115,2123
  pour cut-out: 2828,2753 2836,2761 2853,2761 2828.53,2785.47 2828.37,2785.31 2070,2785.31 2050,2765.31 2050,2751
  pour cut-out: 1970,2693.47 1970,2693 1947,2670 1950.36,2666.64 1950.36,2640.21 2615.21,2640.21 2627.41,2652.41 2627.41,2694
  pour cut-out: 2748,2621 2862.75,2621 2943.75,2540 2748,2540
  pour cut-out: 2390,2411 2371,2392 2371,2375 2944.47,2375 2945,2375.53 2945,2411
  pour cut-out: 2499,2856 2519,2856 2519,2210 2500,2210 2499,2211
  pour cut-out: 2450,2470 2450,2506.57 2599.43,2506.57 2602,2504 2602,2471
  pour cut-out: 1807,1040 1807,990 2237,990 2237,1035 2232,1040
  pour cut-out: 2310,2316 2290,2296 2290,2280 2938,2280 2974,2316
  pour cut-out: 4412,2559.62 4412,2570 4460,2570 4460,2563.7 4456,2560
  pour cut-out: 4412,2525 4412,2534.38 4456,2534 4460,2530.3 4460,2525
  pour cut-out: 4552,1633 4552,1622.82 4559,1622 4597,1623 4602,1626.9 4602,1633
  pour cut-out: 4553,1597.38 4553,1588 4603,1588 4603,1592.74 4596,1599 4559,1599
  pour cut-out: 3094,2063 3194,2063 3194,2131 3156.21,2168.79 3131.79,2168.79 3094,2131
  pour cut-out: 3326,2063 3426,2063 3426,2131 3388.21,2168.79 3363.79,2168.79 3326,2131
  pour cut-out: 3079,3056 3179,3056 3179,2983 3141.21,2945.21 3116.79,2945.21 3079,2983
  pour cut-out: 3315,3056 3415,3056 3415,2983 3377.21,2945.21 3352.79,2945.21 3315,2983
  pour cut-out: 3549,3056 3649,3056 3649,2983 3611.21,2945.21 3586.79,2945.21 3549,2983
  pour cut-out: 4008.52,1872.28 4031.48,1872.28 4031.48,1824.48 4031,1824 4008,1824
  pour cut-out: 3096.05,2675.42 3089.58,2668.95 3089.58,2412.05 3346.95,2412.05 3351.95,2407.05 3351.95,2687.64 3253.53,2687.64
  text "White Space Daughtercard" at 3935,1118 h20
  text "REG - WSD r4 01/30/2014" at 3934,1082 h20
MidLayer1:
  rectangle net VCC_12V: 2046,3566 2107,3654
  rectangle net VCC_12V: 1742,3330 1818,3495
  rectangle net VREG_2.85V: 3366,1569 3452,1615
  rectangle net VCC_1.8V: 2550,3096.02 2669,3155.02
  rectangle net VCC_12V: 2405,1362 2512,1453
  rectangle net GND: 3153,1387 3333,1567
  rectangle net GND: 3855,1663 4193,1865
  rectangle net GND: 3549.82,1280.61 3814.82,1628.56
  rectangle net VCC_5V: 3929,1441 3992,1492
  rectangle net GND: 3110,2426 3338,2654
  rectangle net VCC_5V: 2763,1366 2853,1483
  rectangle net VREG_2.85V: 2561,1257 2616,1315
  rectangle net UHF_EXTLNA_PWR_7: 3680,3533 3742,3592
  rectangle net UHF_EXTLNA_PWR_7: 2788,3730 2885,3779
  region net GND: 4041,3414.91 3710.97,3414.91 3710.97,3066.3 4041,3066.3
  rectangle net VCC_5V: 2806,3584 2866,3620
  pour cut-out: 1484,3768 1586,3768 1587,3767 1587,3516 1483,3516
MidLayer2:
  rectangle net GND: 3153,1387 3333,1567
  rectangle net GND: 3855,1663 4193,1865
  rectangle net GND: 3549.82,1280.61 3814.82,1628.56
  rectangle net GND: 3110,2426 3338,2654
  rectangle net VCC_5V: 2763,1366 2853,1538
  rectangle net VCC_5V: 3034,1473 3118,1531
  region net GND: 4042,3414.91 3710.97,3414.91 3710.97,3066.3 4042,3066.3
Bottom Layer:
  rectangle net GND: 3153,1387 3333,1567
  rectangle net GND: 3830,1610 4243,2000
  rectangle net GND: 3549.82,1279.95 3814.82,1628.56
  rectangle net GND: 3110,2426 3338,2654
  rectangle net GND: 3120,1354 3361,1590
  rectangle net GND: 2322,3307 2761,3725
  rectangle net GND: 3650,1531 4245,1884
  rectangle net GND: 2417,1739 2965,2048
  region net GND: 3899,3414.91 3710.97,3414.91 3710.97,3067 3899,3067
  pour cut-out: 2681.53,2565.53 2693,2554.06 2693,2526 2728.21,2490.79 3089.58,2490.79 3089.58,2530.16 3089.22,2530.52 3089.22,2609 3036.41,2609 3016,2588.59 2941.41,2588.59 2837,2693 2837,2621 2797,2581 2764,2581 2751,2568
  pour cut-out: 3137.38,2779.84 3137.38,2766.31 3119.34,2748.27 3119.34,2733.23 3126.57,2726 3148,2726 3148,2774.97 3143.13,2779.84
  pour cut-out: 3356,2648 3358.42,2645.58 3358.42,2608.9 3380.1,2608.9 3411,2609 3446.94,2611 3472.5,2611 3471,2673 3463,2681 3417,2681 3417,2688 3393,2712 3387,2712 3387,2709.46 3351.95,2674.42
  pour cut-out: 3222.38,2236.16 3222.38,2334.62 3185,2372 3167,2372 3155.1,2383.9 3155.1,2412.58 3228.42,2412.58 3235,2406 3235,2316.5 3267,2289.11 3267,2232
  pour cut-out: 2999.16,2365 2999.16,2299.32 3014.1,2284.38 3059.84,2284.38 3059.84,2333.84 3110,2384 3101.58,2392.42 3029.58,2392.42
  pour cut-out: 2886.16,2405.37 2886.16,2318.62 2931.62,2318.62 3002,2389 2985.75,2405.25 2966.21,2405.25
Power Plane (plane layer: these items are gaps in the copper):
  lines w5: 2344,3405 2344,3655 2600,3655 2599,3654 2599,3404 2596,3401 2348,3401 2344,3405 ; 3087,2400 3087,2676 3364,2676 3364,2400 3087,2400
  lines w30: 1001,2181 2180,2181 2225,2181 2255,2151 2255,1953 2441,1767 2441,1000

## Silkscreen, mask and mechanical layers (free items; w line width, h text height)
Top Overlay:
  lines w5: 2891,2914 2891,2929 ; 3129,2926 3129,2941 ; 2388,1061 2420,1061 2420,1133 2388,1133 2388,1061 ; 2426,1061 2458,1061 2458,1133 2426,1133 2426,1061 ; 2464,1061 2496,1061 2496,1133 2464,1133 2464,1061 ; 2502,1054 2502,1086 2574,1086 2574,1054 2502,1054 ; 2502,1101 2502,1133 2574,1133 2574,1101 2502,1101 ; 3604,2233 3636,2233 3636,2295 3604,2295 3604,2233 ; 3616,2302 3616,2374 3648,2374 3648,2302 3616,2302 ; 3641,2381 3673,2381 3673,2453 3641,2453 3641,2381 ; 3642,2219 3686,2219 3686,2296 3642,2296 3642,2219 ; 3654,2302 3654,2374 3686,2374 3686,2302 3654,2302 ; 3679,2381 3711,2381 3711,2453 3679,2453 3679,2381 ; 3692,2273 3692,2305 3764,2305 3764,2273 3692,2273 ; 3692,2313 3692,2345 3764,2345 3764,2313 3692,2313 ; 3717,2381 3717,2413 3789,2413 3789,2381 3717,2381 ; 3770,2282 3770,2354 3802,2354 3802,2282 3770,2282 ; 3803,2704 3803,2796 3849,2796 3849,2704 3803,2704 ; 3817,2429 3817,2461 3889,2461 3889,2429 3817,2429 ; 3817,2468 3849,2468 3849,2540 3817,2540 3817,2468 ; 3817,2547 3817,2619 3849,2619 3849,2547 3817,2547 ; 3817,2626 3817,2698 3849,2698 3849,2626 3817,2626 ; 3817,2824 3817,2856 3889,2856 3889,2824 3817,2824 ; 3857,2508 3857,2540 3929,2540 3929,2508 3857,2508 ; 3857,2547 3857,2619 3889,2619 3889,2547 3857,2547 ; 3857,2626 3857,2698 3889,2698 3889,2626 3857,2626 ; 3857,2704 3857,2776 3889,2776 3889,2704 3857,2704 ; 3896,2587 3896,2619 3968,2619 3968,2587 3896,2587 ; 3896,2626 3896,2658 3968,2658 3968,2626 3896,2626 ; 3897,2744 3897,2776 3969,2776 3969,2744 3897,2744 ; 3976,2744 3976,2776 4048,2776 4048,2744 3976,2744 ; 4056,2777 4056,2809 4128,2809 4128,2777 4056,2777
  lines w7: 1910,2564 1910,2584 ; 2011,1237 ccw(c2068.94,1294.94) 2068.94,1213 2256,1213 cw(c2256,1092.29) 2341.36,1177.64 2379,1140 ; 2451,2438 2451,2455 ; 2471,2142 ccw(c2487.9,2158.9) 2487.9,2135 2550,2135 ; 3537,2080 3539.69,2080 ccw(c3539.69,2107.31) 3559,2088 3559.76,2088.76 cw(c3570,2078.51) 3570,2093 ; 3550,2058 3570,2058 ; 3551,2104 ccw(c3551,2111.24) 3556.12,2106.12 3580,2130
  lines w8: 2150,2510 2150,2480 2179,2451 2195,2451 ; 2170,2583 2170,2601 2197,2628 2217,2628 ; 2202.5,2493.5 2210,2486 2241,2486 ; 2221,2559 2235,2573 2267,2573
  text "GND" at 2150,4040 h25
  text "3.3V" at 1989,4039 h25
  text "3.3V" at 2007,3815 h30
  text "1" at 2296,3766 h30
  text "2" at 2384,3766 h30
  text "3" at 2476,3766 h30
  text "4" at 2571,3765 h30
  text "GND" at 1626,3642 h25 r90
  text "GND" at 4258,3592 h25
  text "GND" at 4546,3590 h25
  text "12V" at 1625,3515 h25 r90
  text "RXQP" at 4546,3467 h25
  text "RXQN" at 4234,3466 h25
  text "Aux In" at 4698,3428 h35
  text "RXIN" at 4239,3367 h25
  text "RXIP" at 4546,3367 h25
  text "12V" at 1887,3272 h30
  text "TXQN" at 4235,3267 h25
  text "TXQP" at 4546,3266 h25
  text "7V" at 2226,3239 h30
  text "TXIP" at 4545,3166 h25
  text "TXIN" at 4239,3165 h25
  text "." at 3449,2985 h15
  text "UHF 2" at 4674,2954 h35
  text "." at 3013,2709 h30
  text "." at 3050,2705 h20
  text "RxIQSel" at 2232,2614 h30
  text "RxClk" at 2278,2557 h30
  text "TxClk" at 2247,2485 h30
  text "Rx0" at 1935,2474 h30 r90
  text "TxIQSel" at 2203,2437 h30
  text "VADJ" at 2010,2364 h30
  text "Tx0" at 2458,2350 h30 r90
  text "UHF 1" at 4676,2338 h35
  text "Tx" at 3581,2124 h30
  text "RXCLKOUT" at 2560,2119 h30
  text "." at 1863,2103 h15
  text "Rx" at 3581,2080 h30
  text "Clk" at 3581,2042 h30
  text "." at 2289,2020 h15
  text "ISM 2" at 4753,1966 h35
  text "." at 1862,1947 h15
  text "URx" at 1419.8,1749 h30
  text "UTx" at 1420,1643 h30
  text "ISM 1" at 4751,1585 h35
  text "5V" at 2918,1342 h30
  text "PD0" at 4543,1186 h30 r90
  text "." at 1459,1063 h40
  text "PD1" at 4500,1053 h30
Bottom Overlay:
  lines w5: 2883,2708 3006,2708 3006,2828 2883,2828 2883,2708 ; 3560,2528 3560,2663 3688,2663 3688,2528 3560,2528
Top Solder:
  region: 1946,3972 1914,3972 1914,3928 1946,3928
  region: 1875,3971 1843,3971 1843,3927 1875,3927
  rectangle: 1545,3505 1577,3549
  rectangle: 1471,3505 1503,3549
  rectangle: 2895,2916 2907,2928
  rectangle: 2874,2916 2886,2928
  rectangle: 3134,2927 3146,2939
  rectangle: 3112,2927 3124,2939
Mechanical 1:
  the board outline again, w5
Mechanical 13:
  lines w4: 5954,3638.5 6873,3638.5 ; 5954,3708.1 6873,3708.1 ; 5894,3175.5 ccw(c5916,3175.5) 5916,3153.5 6911,3153.5 ccw(c6911,3175.5) 6933,3175.5 6933,3775.5 ccw(c6911,3775.5) 6911,3797.5 5916,3797.5 ccw(c5916,3775.5) 5894,3775.5 5894,3175.5
  lines w5: 2536,1769 2891,1769 2893.04,1771.04 2893.04,2049 2888.04,2044 2536,2044 2536,1769
  text "Layer Stack Up Detail for: Whitespace_Daughtercard.PcbDoc" at 5954,3742 h15
  text "Layer" at 5954,3682.1 h15
  text "Name" at 5954,3650.1 h15
  text "Top Layer" at 5954,3602.96 h15
  text "Ground Plane" at 5954,3535.88 h15
  text "MidLayer1" at 5954,3468.79 h15
  text "MidLayer2" at 5954,3401.71 h15
  text "Power Plane" at 5954,3334.63 h15
  text "Bottom Layer" at 5954,3267.54 h15
  text "===== WSD Rev 4 =====" at 6484,2747 h50
  text "- Isola FR402, Dk @ 1 MHz = 4.6" at 5958,2587 h50
  text "- Controlled Dielectric: top & bottom signal planes are critical" at 5958,2427.33 h50
  text "- See WSD_r4_Stackup.xls file for PCB Stackup" at 5958,2267.67 h50
  text "- Lead-Free Solder ONLY" at 5958,2091.34 h50
  text "- Contact Ryan Guerra: (315) 857-7693, ryan@volowireless.com" at 5958,1948.33 h50
  text "- 1oz Copper Top & Bottom" at 5958,1788.67 h50
  text "- Other layers: 0.5oz copper" at 5958,1629 h50
  text "- OK to panel" at 5968,1472 h50
Mechanical 15:
  rectangle: 1010,1010 1451,4090
Drill Drawing:
  text ".legend" at 5200,2584 h15

## Dimensions
1000,4100 to 1000,1000 on Mechanical 1
1000,4100 to 5000,4100 on Mechanical 1
1000,4100 to 1225,3950 on Mechanical 13

## Text inside footprints (layer, text, board x,y; h text height)
C165: Top Overlay "+" at 1806,3503 h15 r180; Top Overlay "-" at 1776,3153 h15 r180
C166: Top Overlay "+" at 1874,3623 h15 r90; Top Overlay "-" at 1524,3653 h15 r90
D1: Top Overlay "-" at 1958,3365 h15
D2: Top Overlay "-" at 2281,3334 h15
D3: Top Overlay "-" at 2943,1465 h15
D4: Top Overlay "-" at 2155,3909 h15
D5: Top Overlay "-" at 2220,1318 h15 r180
D6: Top Overlay "-" at 2345.33,3825.12 h15 r270
D7: Top Overlay "-" at 2439,3825.12 h15 r270
D8: Top Overlay "-" at 2532.67,3824.12 h15 r270
D9: Top Overlay "-" at 2627.33,3825.12 h15 r270
D15: Top Overlay "-" at 2220,1247 h19.68 r180